# Allegro board LED_FIN.brd (continued)
## Routing (per net, layer and track width the routed paths; a pad name or vN(x,y) marks a point on that pad's centre or on a via; arc(x,y) is an arc through that point) (continued)
  TOP w0.2: 232.15,96.6 v1(232.15,99.1) 231.55,99.7 231.55,102.4 232.15,103 U321.2 ; U322.2 234.15,103 233.55,102.4 233.55,99.7 v1(234.15,99.1) 234.15,96.6 ; 242.15,96.6 v1(242.15,99.1) 241.55,99.7 241.55,102.4 242.15,103 U326.2 ; U209.2 146.95,158.7 147.55,159.3 147.55,160.65 147.35,160.85 147.35,161.56 146.95,161.96 146.95,163.75 ; U245.2 218.95,158.7 219.55,159.3 219.55,160.65 219.35,160.85 219.35,161.56 218.95,161.96 218.95,163.75 ; U452.2 v1(254.25,14.45) ; 188.15,96.6 v1(188.15,99.1) 187.55,99.7 187.55,102.4 188.15,103 U297.2 ; v1(190.25,9.65) 190.25,7.3 ; 162.15,96.6 v1(162.15,99.1) 161.55,99.7 161.55,102.4 162.15,103 U284.2 ; 17.25,31.3 17.25,32.45 15.15,34.55 COUT.2 8.3,34.55 U521.1 U520.1 ; 17.25,31.3 CIN.2 ; 17.25,31.3 17.25,29.5 ; U306.2 206.15,103 205.55,102.4 205.55,99.7 v1(206.15,99.1) 206.15,96.6 ; v1(128.25,9.65) 128.25,7.25 ; 260.95,163.75 260.95,161.96 261.35,161.56 261.35,160.85 261.55,160.65 261.55,159.3 260.95,158.7 U266.2 ; U387.2 128.15,103 127.55,102.4 127.55,99.7 v1(128.15,99.1) 128.15,96.6 ; v1(250.25,9.65) 250.25,7.3 ; U159.2 46.95,158.7 47.55,159.3 47.55,160.65 47.35,160.85 47.35,161.56 46.95,161.96 46.95,163.75 ; U458.2 v1(266.25,14.45) ; U317.2 224.15,103 223.55,102.4 223.55,99.7 v1(224.15,99.1) 224.15,96.6 ; U429.2 v1(212.25,14.45) ; U207.2 142.95,158.7 143.55,159.3 143.55,160.65 143.35,160.85 143.35,161.56 142.95,161.96 142.95,163.75 ; v1(186.25,9.65) 186.25,7.3 ; v1(150.25,9.7) 150.25,9.35 ; v1(178.25,9.65) 178.25,7.3 ; U445.2 v1(240.25,14.45) ; U268.2 264.95,158.7 265.55,159.3 265.55,160.65 265.35,160.85 265.35,161.56 264.95,161.96 264.95,163.75 ; U296.2 186.15,103 185.55,102.4 185.55,99.7 v1(186.15,99.1) 186.15,96.6 ; 276.15,96.6 v1(276.15,99.1) 275.55,99.7 275.55,102.4 276.15,103 U343.2 ; v1(258.25,9.65) 258.25,7.3 ; U457.2 v1(264.25,14.45) ; U240.2 208.95,158.7 209.55,159.3 209.55,160.65 209.35,160.85 209.35,161.56 208.95,161.96 208.95,163.75 ; U167.2 62.95,158.7 63.55,159.3 63.55,160.65 63.35,160.85 63.35,161.56 62.95,161.96 62.95,163.75 ; U206.2 140.95,158.7 141.55,159.3 141.55,160.65 141.35,160.85 141.35,161.56 140.95,161.96 140.95,163.75 ; U155.2 38.95,158.7 39.55,159.3 39.55,160.65 39.35,160.85 39.35,163.25 ; v1(236.15,99.1) 235.55,99.7 235.55,102.4 236.15,103 U323.2 ; 98.95,163.75 98.95,161.96 99.35,161.56 99.35,160.85 99.55,160.65 99.55,159.3 98.95,158.7 U185.2 ; U221.2 170.95,158.7 171.55,159.3 171.55,160.65 171.35,160.85 171.35,161.56 170.95,161.96 170.95,163.75 ; U338.2 266.15,103 265.55,102.4 265.55,99.7 v1(266.15,99.1) 266.15,96.6 ; 240.15,96.6 v1(240.15,99.1) 239.55,99.7 239.55,102.4 240.15,103 U325.2 ; U397.2 v1(148.25,14.5) ; v1(56.25,9.65) 56.25,7.25 ; U319.2 228.15,103 227.55,102.4 227.55,99.7 v1(228.15,99.1) 228.15,96.6 ; U327.2 244.15,103 243.55,102.4 243.55,99.7 v1(244.15,99.1) 244.15,96.6 ; U333.2 256.15,103 255.55,102.4 255.55,99.7 v1(256.15,99.1) 256.15,96.6 ; v1(124.25,9.65) 124.25,7.25 ; 204.95,163.75 204.95,161.96 205.35,161.56 205.35,160.85 205.55,160.65 205.55,159.3 204.95,158.7 U238.2 ; U222.2 172.95,158.7 173.55,159.3 173.55,160.65 173.35,160.85 173.35,161.56 172.95,161.96 172.95,163.75 ; U477.2 v1(68.25,14.45) ; 96.95,163.75 96.95,161.96 97.35,161.56 97.35,160.85 97.55,160.65 97.55,159.3 96.95,158.7 U184.2 ; v1(234.25,9.65) 234.25,7.3 ; U214.2 156.95,158.7 157.55,159.3 157.55,160.65 157.35,160.85 157.35,161.56 156.95,161.96 156.95,163.75 ; 17.25,29.5 17.25,27.8 ; 17.25,29.5 CVCC.2 17.8,28.9 18,28.7 19.86,28.7 20.11,28.45 22.69,28.45 23.49,29.25 26.51,29.25 26.71,29.45 29.4,29.45 32.95,25.9 RFBB.2 ; 17.25,27.8 CSS.2 ; 17.25,27.8 16.78,27.33 16.78,22.07 17.8,21.05 CBYP.2 ; 218.15,96.6 v1(218.15,99.1) 217.55,99.7 217.55,102.4 218.15,103 U314.2 ; U202.2 132.95,158.7 133.55,159.3 133.55,160.65 133.35,160.85 133.35,161.56 132.95,161.96 132.95,163.75 ; 256.95,163.75 256.95,161.96 257.35,161.56 257.35,160.85 257.55,160.65 257.55,159.3 256.95,158.7 U264.2 ; U508.2 v1(130.25,14.45) ; 134.95,163.75 134.95,161.96 135.35,161.56 135.35,160.85 135.55,160.65 135.55,159.3 134.95,158.7 U203.2 ; U475.2 v1(64.25,14.45) ; U274.2 276.95,158.7 277.4,159.15 277.4,161.5 276.95,161.96 276.95,163.75 ; 138.15,96.6 v1(138.15,99.1) 137.55,99.7 137.55,102.4 138.15,103 U392.2 ; U360.2 74.15,103 73.55,102.4 73.55,99.7 v1(74.15,99.1) 74.15,96.6 ; U213.2 154.95,158.7 155.55,159.3 155.55,160.65 155.35,160.85 155.35,161.56 154.95,161.96 154.95,163.75 ; 262.95,163.75 262.95,161.96 263.35,161.56 263.35,160.85 263.55,160.65 263.55,159.3 262.95,158.7 U267.2 ; U363.2 80.15,103 79.55,102.4 79.55,99.7 v1(80.15,99.1) 80.15,96.6 ; U460.2 v1(270.25,14.45) ; U380.2 114.15,103 113.55,102.4 113.55,99.7 v1(114.15,99.1) 114.15,96.6 ; 198.15,96.6 v1(198.15,99.1) 197.55,99.7 197.55,102.4 198.15,103 U302.2 ; 54.95,163.75 54.95,161.96 55.35,161.56 55.35,160.85 55.55,160.65 55.55,159.3 54.95,158.7 U163.2 ; U205.2 138.95,158.7 139.55,159.3 139.55,160.65 139.35,160.85 139.35,161.56 138.95,161.96 138.95,163.75 ; U287.2 168.15,103 167.55,102.4 167.55,99.7 v1(168.15,99.1) 168.15,96.6 ; U344.2 42.15,103 41.55,102.4 41.55,99.7 v1(42.15,99.1) 42.15,96.6 ; 108.95,163.75 108.95,161.96 109.35,161.56 109.35,160.85 109.55,160.65 109.55,159.3 108.95,158.7 U190.2 ; 84.95,163.75 84.95,161.96 85.35,161.56 85.35,160.85 85.55,160.65 85.55,159.3 84.95,158.7 U178.2 ; U413.2 v1(180.25,14.45) ; U399.2 v1(152.25,14.6) ; U415.2 v1(184.25,14.45) ; v1(200.25,9.65) 200.25,7.3 ; v1(46.25,9.65) 46.25,7.25 ; U378.2 110.15,103 109.55,102.4 109.55,99.7 v1(110.15,99.1) 110.15,96.6 ; U172.2 72.95,158.7 73.55,159.3 73.55,160.65 73.35,160.85 73.35,161.56 72.95,161.96 72.95,163.75 ; U226.2 180.95,158.7 181.55,159.3 181.55,160.65 181.35,160.85 181.35,161.56 180.95,161.96 180.95,163.75 ; v1(140.25,9.65) 140.25,7.25 ; U275.2 144.15,103 143.55,102.4 143.55,99.7 v1(144.15,99.1) 144.15,96.6 ; 268.15,96.6 v1(268.15,99.1) 267.55,99.7 267.55,102.4 268.15,103 U339.2 ; 62.15,96.6 v1(62.15,99.1) 61.55,99.7 61.55,102.4 62.15,103 U354.2 ; U320.2 230.15,103 229.55,102.4 229.55,99.7 v1(230.15,99.1) 230.15,96.6 ; U295.2 184.15,103 183.55,102.4 183.55,99.7 v1(184.15,99.1) 184.15,96.6 ; U225.2 178.95,158.7 179.55,159.3 179.55,160.65 179.35,160.85 179.35,161.56 178.95,161.96 178.95,163.75 ; v1(242.25,9.65) 242.25,7.3 ; v1(144.25,9.65) 144.25,7.25 ; v1(222.25,9.65) 222.25,7.3 ; v1(88.25,9.65) 88.25,7.25 ; v1(260.25,9.65) 260.25,7.3 ; 134.15,96.6 v1(134.15,99.1) 133.55,99.7 133.55,102.4 134.15,103 U390.2 ; U513.2 v1(140.25,14.45) ; U303.2 200.15,103 199.55,102.4 199.55,99.7 v1(200.15,99.1) 200.15,96.6 ; U278.2 150.15,103 149.55,102.4 149.55,99.7 v1(150.15,99.1) 150.15,96.6 ; U466.2 v1(46.25,14.45) ; U332.2 254.15,103 253.55,102.4 253.55,99.7 v1(254.15,99.1) 254.15,96.6 ; 186.95,163.75 186.95,161.96 187.35,161.56 187.35,160.85 187.55,160.65 187.55,159.3 186.95,158.7 U229.2 ; 30.9,32.7 30.9,29.4 ; 30.9,32.7 31.05,32.7 U516.3 31.6,33.2 32.1,32.7 32.1,29.9 31.6,29.4 ; 30.9,32.7 U516.2 ; 30.9,32.7 30.75,32.7 U516.1 ; 30.9,29.4 29.35,29.4 ; 30.9,29.4 31.6,29.4 ; U208.2 144.95,158.7 145.55,159.3 145.55,160.65 145.35,160.85 145.35,161.56 144.95,161.96 144.95,163.75 ; 128.95,163.75 128.95,161.96 129.35,161.56 129.35,160.85 129.55,160.65 129.55,159.3 128.95,158.7 U200.2 ; U170.2 68.95,158.7 69.55,159.3 69.55,160.65 69.35,160.85 69.35,161.56 68.95,161.96 68.95,163.75 ; U489.2 v1(92.25,14.45) ; v1(116.25,9.65) 116.25,7.25 ; U277.2 148.15,103 147.55,102.4 147.55,99.7 v1(148.15,99.1) 148.15,96.6 ; 188.95,163.75 188.95,161.96 189.35,161.56 189.35,160.85 189.55,160.65 189.55,159.3 188.95,158.7 U230.2 ; 86.95,163.75 86.95,161.96 87.35,161.56 87.35,160.85 87.55,160.65 87.55,159.3 86.95,158.7 U179.2 ; U280.2 154.15,103 153.55,102.4 153.55,99.7 v1(154.15,99.1) 154.15,96.6 ; v1(228.25,9.65) 228.25,7.3 ; 236.95,163.75 236.95,161.96 237.35,161.56 237.35,160.85 237.55,160.65 237.55,159.3 236.95,158.7 U254.2 ; U215.2 158.95,158.7 159.55,159.3 159.55,160.65 159.35,160.85 159.35,161.56 158.95,161.96 158.95,163.75 ; U232.2 192.95,158.7 193.55,159.3 193.55,160.65 193.35,160.85 193.35,161.56 192.95,161.96 192.95,163.75 ; U165.2 58.95,158.7 59.55,159.3 59.55,160.65 59.35,160.85 59.35,161.56 58.95,161.96 58.95,163.75 ; U426.2 v1(206.25,14.45) ; 172.15,96.6 v1(172.15,99.1) 171.55,99.7 171.55,102.4 172.15,103 U289.2 ; U194.2 116.95,158.7 117.55,159.3 117.55,160.65 117.35,160.85 117.35,161.56 116.95,161.96 116.95,163.75 ; U371.2 96.15,103 95.55,102.4 95.55,99.7 v1(96.15,99.1) 96.15,96.6 ; 268.95,163.75 268.95,161.96 269.35,161.56 269.35,160.85 269.55,160.65 269.55,159.3 268.95,158.7 U270.2 ; U347.2 48.15,103 47.55,102.4 47.55,99.7 v1(48.15,99.1) 48.15,96.6 ; v1(102.25,9.65) 102.25,7.25 ; U239.2 206.95,158.7 207.55,159.3 207.55,160.65 207.35,160.85 207.35,161.56 206.95,161.96 206.95,163.75 ; U329.2 248.15,103 247.55,102.4 247.55,99.7 v1(248.15,99.1) 248.15,96.6 ; 146.15,96.6 v1(146.15,99.1) 145.55,99.7 145.55,102.4 146.15,103 U276.2 ; 84.15,96.6 v1(84.15,99.1) 83.55,99.7 83.55,102.4 84.15,103 U365.2 ; 266.95,163.75 266.95,161.96 267.35,161.56 267.35,160.85 267.55,160.65 267.55,159.3 266.95,158.7 U269.2 ; 110.95,163.75 110.95,161.96 111.35,161.56 111.35,160.85 111.55,160.65 111.55,159.3 110.95,158.7 U191.2 ; U424.2 v1(202.25,14.45) ; 106.15,96.6 v1(106.15,99.1) 105.55,99.7 105.55,102.4 106.15,103 U376.2 ; U440.2 v1(230.25,14.45) ; U406.2 v1(166.25,14.45) ; 130.95,163.75 130.95,161.96 131.35,161.56 131.35,160.85 131.55,160.65 131.55,159.3 130.95,158.7 U201.2 ; U188.2 104.95,158.7 105.55,159.3 105.55,160.65 105.35,160.85 105.35,161.56 104.95,161.96 104.95,163.75 ; U316.2 222.15,103 221.55,102.4 221.55,99.7 v1(222.15,99.1) 222.15,96.6 ; U256.2 240.95,158.7 241.55,159.3 241.55,160.65 241.35,160.85 241.35,161.56 240.95,161.96 240.95,163.75 ; U435.2 v1(220.25,14.45) ; U377.2 108.15,103 107.55,102.4 107.55,99.7 v1(108.15,99.1) 108.15,96.6 ; U441.2 v1(232.25,14.45) ; 166.15,96.6 v1(166.15,99.1) 165.55,99.7 165.55,102.4 166.15,103 U286.2 ; U346.2 46.15,103 45.55,102.4 45.55,99.7 v1(46.15,99.1) 46.15,96.6 ; U350.2 54.15,103 53.55,102.4 53.55,99.7 v1(54.15,99.1) 54.15,96.6 ; 242.95,163.75 242.95,161.96 243.35,161.56 243.35,160.85 243.55,160.65 243.55,159.3 242.95,158.7 U257.2 ; U341.2 272.15,103 271.55,102.4 271.55,99.7 v1(272.15,99.1) 272.15,96.6 ; U312.2 38.15,103 37.7,102.55 37.7,97.05 ; U181.2 90.95,158.7 91.55,159.3 91.55,160.65 91.35,160.85 91.35,161.56 90.95,161.96 90.95,163.75 ; v1(40.25,9.65) 40.25,7.25 ; v1(98.25,9.65) 98.25,7.25 ; 246.15,96.6 v1(246.15,99.1) 245.55,99.7 245.55,102.4 246.15,103 U328.2 ; 100.15,96.6 v1(100.15,99.1) 99.55,99.7 99.55,102.4 100.15,103 U373.2 ; U291.2 176.15,103 175.55,102.4 175.55,99.7 v1(176.15,99.1) 176.15,96.6 ; v1(146.25,9.65) 146.25,7.25 ; 254.95,163.75 254.95,161.96 255.35,161.56 255.35,160.85 255.55,160.65 255.55,159.3 254.95,158.7 U263.2 ; v1(66.25,9.65) 66.25,7.25 ; 230.95,163.75 230.95,161.96 231.35,161.56 231.35,160.85 231.55,160.65 231.55,159.3 230.95,158.7 U251.2 ; U285.2 164.15,103 163.55,102.4 163.55,99.7 v1(164.15,99.1) 164.15,96.6 ; v1(170.25,9.65) 170.25,7.3 ; 56.15,96.6 v1(56.15,99.1) 55.55,99.7 55.55,102.4 56.15,103 U351.2 ; 66.15,96.6 v1(66.15,99.1) 65.55,99.7 65.55,102.4 66.15,103 U356.2 ; 222.95,163.75 222.95,161.96 223.35,161.56 223.35,160.85 223.55,160.65 223.55,159.3 222.95,158.7 U247.2 ; v1(68.25,9.65) 68.25,7.25 ; U468.2 v1(50.25,14.45) ; U482.2 v1(78.25,14.45) ; 68.15,96.6 v1(68.15,99.1) 67.55,99.7 67.55,102.4 68.15,103 U357.2 ; U453.2 v1(256.25,14.45) ; v1(50.25,9.65) 50.25,7.25 ; U369.2 92.15,103 91.55,102.4 91.55,99.7 v1(92.15,99.1) 92.15,96.6 ; U394.2 142.15,103 141.55,102.4 141.55,99.7 v1(142.15,99.1) 142.15,96.6 ; U479.2 v1(72.25,14.45) ; U220.2 168.95,158.7 169.55,159.3 169.55,160.65 169.35,160.85 169.35,161.56 168.95,161.96 168.95,163.75 ; U514.2 v1(142.25,14.45) ; U384.2 122.15,103 121.55,102.4 121.55,99.7 v1(122.15,99.1) 122.15,96.6 ; v1(64.25,9.65) 64.25,7.25 ; U446.2 v1(242.25,14.45) ; U404.2 v1(162.25,14.65) ; U490.2 v1(94.25,14.45) ; U491.2 v1(96.25,14.45) ; U379.2 112.15,103 111.55,102.4 111.55,99.7 v1(112.15,99.1) 112.15,96.6 ; U368.2 90.15,103 89.55,102.4 89.55,99.7 v1(90.15,99.1) 90.15,96.6 ; U374.2 102.15,103 101.55,102.4 101.55,99.7 v1(102.15,99.1) 102.15,96.6 ; 58.15,96.6 v1(58.15,99.1) 57.55,99.7 57.55,102.4 58.15,103 U352.2 ; U260.2 248.95,158.7 249.55,159.3 249.55,160.65 249.35,160.85 249.35,161.56 248.95,161.96 248.95,163.75 ; U385.2 124.15,103 123.55,102.4 123.55,99.7 v1(124.15,99.1) 124.15,96.6 ; v1(110.25,9.65) 110.25,7.25 ; 274.15,96.6 v1(274.15,99.1) 273.55,99.7 273.55,102.4 274.15,103 U342.2 ; U241.2 210.95,158.7 211.55,159.3 211.55,160.65 211.35,160.85 211.35,161.56 210.95,161.96 210.95,163.75 ; U171.2 70.95,158.7 71.55,159.3 71.55,160.65 71.35,160.85 71.35,161.56 70.95,161.96 70.95,163.75 ; v1(246.25,9.65) 246.25,7.3 ; U204.2 136.95,158.7 137.55,159.3 137.55,160.65 137.35,160.85 137.35,161.56 136.95,161.96 136.95,163.75 ; U391.2 136.15,103 135.55,102.4 135.55,99.7 v1(136.15,99.1) 136.15,96.6 ; v1(100.25,9.65) 100.25,7.25 ; 252.95,163.75 252.95,161.96 253.35,161.56 253.35,160.85 253.55,160.65 253.55,159.3 252.95,158.7 U262.2 ; v1(254.25,9.65) 254.25,7.3 ; 212.95,163.75 212.95,161.96 213.35,161.56 213.35,160.85 213.55,160.65 213.55,159.3 212.95,158.7 U242.2 ; 258.15,96.6 v1(258.15,99.1) 257.55,99.7 257.55,102.4 258.15,103 U334.2 ; U448.2 v1(246.25,14.45) ; v1(230.25,9.65) 230.25,7.3 ; v1(126.25,9.65) 126.25,7.25 ; 120.95,163.75 120.95,161.96 121.35,161.56 121.35,160.85 121.55,160.65 121.55,159.3 120.95,158.7 U196.2 ; v1(76.25,9.65) 76.25,7.25 ; 200.95,163.75 200.95,161.96 201.35,161.56 201.35,160.85 201.55,160.65 201.55,159.3 200.95,158.7 U236.2 ; v1(276.25,9.65) 276.25,7.35 ; 92.95,163.75 92.95,161.96 93.35,161.56 93.35,160.85 93.55,160.65 93.55,159.3 92.95,158.7 U182.2 ; v1(90.25,9.65) 90.25,7.25 ; U442.2 v1(234.25,14.45) ; U273.2 274.95,158.7 275.55,159.3 275.55,160.65 275.35,160.85 275.35,161.56 274.95,161.96 274.95,163.75 ; U358.2 70.15,103 69.55,102.4 69.55,99.7 v1(70.15,99.1) 70.15,96.6 ; v1(84.25,9.65) 84.25,7.25 ; v1(72.25,9.65) 72.25,7.25 ; U451.2 v1(252.25,14.45) ; U473.2 v1(60.25,14.45) ; U173.2 74.95,158.7 75.55,159.3 75.55,160.65 75.35,160.85 75.35,161.56 74.95,161.96 74.95,163.75 ; v1(52.25,9.65) 52.25,7.25 ; U414.2 v1(182.25,14.45) ; U411.2 v1(176.25,14.45) ; 178.15,96.6 v1(178.15,99.1) 177.55,99.7 177.55,102.4 178.15,103 U292.2 ; U401.2 v1(156.25,14.55) ; U462.2 v1(274.25,14.45) ; v1(180.25,9.65) 180.25,7.3 ; U509.2 v1(132.25,14.45) ; v1(44.25,9.65) 44.25,7.25 ; 72.15,96.6 v1(72.15,99.1) 71.55,99.7 71.55,102.4 72.15,103 U359.2 ; U497.2 v1(108.25,14.45) ; v1(132.25,9.65) 132.25,7.25 ; U307.2 208.15,103 207.55,102.4 207.55,99.7 v1(208.15,99.1) 208.15,96.6 ; U243.2 214.95,158.7 215.55,159.3 215.55,160.65 215.35,160.85 215.35,161.56 214.95,161.96 214.95,163.75 ; 238.15,96.6 v1(238.15,99.1) 237.55,99.7 237.55,102.4 238.15,103 U324.2 ; U246.2 220.95,158.7 221.55,159.3 221.55,160.65 221.35,160.85 221.35,161.56 220.95,161.96 220.95,163.75 ; U212.2 152.95,158.7 153.55,159.3 153.55,160.65 153.35,160.85 153.35,161.56 152.95,161.96 152.95,163.75 ; 196.95,163.75 196.95,161.96 197.35,161.56 197.35,160.85 197.55,160.65 197.55,159.3 196.95,158.7 U234.2 ; U472.2 v1(58.25,14.45) ; v1(92.25,9.65) 92.25,7.25 ; 118.15,96.6 v1(118.15,99.1) 117.55,99.7 117.55,102.4 118.15,103 U382.2 ; v1(216.25,9.65) 216.25,7.3 ; U476.2 v1(66.25,14.45) ; U512.2 v1(138.25,14.45) ; U501.2 v1(116.25,14.45) ; U249.2 226.95,158.7 227.55,159.3 227.55,160.65 227.35,160.85 227.35,161.56 226.95,161.96 226.95,163.75 ; U436.2 v1(222.25,14.45) ; U176.2 80.95,158.7 81.55,159.3 81.55,160.65 81.35,160.85 81.35,161.56 80.95,161.96 80.95,163.75 ; U456.2 v1(262.25,14.45) ; 29.35,29.4 M2.2 ; 29.35,29.4 RS.2 ; U235.2 198.95,158.7 199.55,159.3 199.55,160.65 199.35,160.85 199.35,161.56 198.95,161.96 198.95,163.75 ; 60.15,96.6 v1(60.15,99.1) 59.55,99.7 59.55,102.4 60.15,103 U353.2 ; 202.15,96.6 v1(202.15,99.1) 201.55,99.7 201.55,102.4 202.15,103 U304.2 ; U217.2 162.95,158.7 163.55,159.3 163.55,160.65 163.35,160.85 163.35,161.56 162.95,161.96 162.95,163.75 ; U161.2 50.95,158.7 51.55,159.3 51.55,160.65 51.35,160.85 51.35,161.56 50.95,161.96 50.95,163.75 ; U219.2 166.95,158.7 167.55,159.3 167.55,160.65 167.35,160.85 167.35,161.56 166.95,161.96 166.95,163.75 ; 94.15,96.6 v1(94.15,99.1) 93.55,99.7 93.55,102.4 94.15,103 U370.2 ; U233.2 194.95,158.7 195.55,159.3 195.55,160.65 195.35,160.85 195.35,161.56 194.95,161.96 194.95,163.75 ; U279.2 152.15,103 151.55,102.4 151.55,99.7 v1(152.15,99.1) 152.15,96.6 ; U428.2 v1(210.25,14.45) ; v1(268.25,9.65) 268.25,7.3 ; v1(94.25,9.65) 94.25,7.25 ; U164.2 56.95,158.7 57.55,159.3 57.55,160.65 57.35,160.85 57.35,161.56 56.95,161.96 56.95,163.75 ; U410.2 v1(174.25,14.45) ; U231.2 190.95,158.7 191.55,159.3 191.55,160.65 191.35,160.85 191.35,161.56 190.95,161.96 190.95,163.75 ; 170.15,96.6 v1(170.15,99.1) 169.55,99.7 169.55,102.4 170.15,103 U288.2 ; U272.2 272.95,158.7 273.55,159.3 273.55,160.65 273.35,160.85 273.35,161.56 272.95,161.96 272.95,163.75 ; 44.95,163.75 44.95,161.96 45.35,161.56 45.35,160.85 45.55,160.65 45.55,159.3 44.95,158.7 U158.2 ; 182.15,96.6 v1(182.15,99.1) 181.55,99.7 181.55,102.4 182.15,103 U294.2 ; U402.2 v1(158.25,14.65) ; U349.2 52.15,103 51.55,102.4 51.55,99.7 v1(52.15,99.1) 52.15,96.6 ; 33.5,25.3 33.5,26.8 31.6,28.7 31.6,29.4 ; U434.2 v1(218.25,14.45) ; U177.2 82.95,158.7 83.55,159.3 83.55,160.65 83.35,160.85 83.35,161.56 82.95,161.96 82.95,163.75 ; v1(244.25,9.65) 244.25,7.3 ; v1(218.25,9.65) 218.25,7.3 ; 164.95,163.75 164.95,161.96 165.35,161.56 165.35,160.85 165.55,160.65 165.55,159.3 164.95,158.7 U218.2 ; U193.2 114.95,158.7 115.55,159.3 115.55,160.65 115.35,160.85 115.35,161.56 114.95,161.96 114.95,163.75 ; U300.2 194.15,103 193.55,102.4 193.55,99.7 v1(194.15,99.1) 194.15,96.6 ; 116.15,96.6 v1(116.15,99.1) 115.55,99.7 115.55,102.4 116.15,103 U381.2 ; U407.2 v1(168.25,14.45) ; U340.2 270.15,103 269.55,102.4 269.55,99.7 v1(270.15,99.1) 270.15,96.6 ; v1(104.25,9.65) 104.25,7.25 ; U336.2 262.15,103 261.55,102.4 261.55,99.7 v1(262.15,99.1) 262.15,96.6 ; U485.2 v1(84.25,14.45) ; U348.2 50.15,103 49.55,102.4 49.55,99.7 v1(50.15,99.1) 50.15,96.6 ; U398.2 v1(150.25,14.55) ; U375.2 104.15,103 103.55,102.4 103.55,99.7 v1(104.15,99.1) 104.15,96.6 ; 64.95,163.75 64.95,161.96 65.35,161.56 65.35,160.85 65.55,160.65 65.55,159.3 64.95,158.7 U168.2 ; v1(74.25,9.65) 74.25,7.25 ; U335.2 260.15,103 259.55,102.4 259.55,99.7 v1(260.15,99.1) 260.15,96.6 ; U400.2 v1(154.25,14.65) ; 226.15,96.6 v1(226.15,99.1) 225.55,99.7 225.55,102.4 226.15,103 U318.2 ; U421.2 v1(196.25,14.45) ; 210.15,96.6 v1(210.15,99.1) 209.55,99.7 209.55,102.4 210.15,103 U308.2 ; U395.2 v1(144.25,14.45) ; v1(118.25,9.65) 118.25,7.25 ; 94.95,163.75 94.95,161.96 95.35,161.56 95.35,160.85 95.55,160.65 95.55,159.3 94.95,158.7 U183.2 ; U412.2 v1(178.25,14.45) ; v1(172.25,9.65) 172.25,7.3 ; 244.95,163.75 244.95,161.96 245.35,161.56 245.35,160.85 245.55,160.65 245.55,159.3 244.95,158.7 U258.2 ; v1(112.25,9.65) 112.25,7.25 ; U483.2 v1(80.25,14.45) ; U507.2 v1(128.25,14.45) ; U488.2 v1(90.25,14.45) ; U301.2 196.15,103 195.55,102.4 195.55,99.7 v1(196.15,99.1) 196.15,96.6 ; 60.95,163.75 60.95,161.96 61.35,161.56 61.35,160.85 61.55,160.65 61.55,159.3 60.95,158.7 U166.2 ; 250.95,163.75 250.95,161.96 251.35,161.56 251.35,160.85 251.55,160.65 251.55,159.3 250.95,158.7 U261.2 ; U162.2 52.95,158.7 53.55,159.3 53.55,160.65 53.35,160.85 53.35,161.56 52.95,161.96 52.95,163.75 ; U210.2 148.95,158.7 149.55,159.3 149.55,160.65 149.35,160.85 149.35,161.56 148.95,161.96 148.95,163.75 ; U345.2 44.15,103 43.55,102.4 43.55,99.7 v1(44.15,99.1) 44.15,96.6 ; v1(279.3,98.55) v1(279.3,98.05) ; v1(240.25,9.65) 240.25,7.3 ; v1(236.25,9.65) 236.25,7.3 ; 150.95,163.75 150.95,161.96 151.35,161.56 151.35,160.85 151.55,160.65 151.55,159.3 150.95,158.7 U211.2 ; U454.2 v1(258.25,14.45) ; U337.2 264.15,103 263.55,102.4 263.55,99.7 v1(264.15,99.1) 264.15,96.6 ; U463.2 v1(276.25,14.45) ; U367.2 88.15,103 87.55,102.4 87.55,99.7 v1(88.15,99.1) 88.15,96.6 ; U484.2 v1(82.25,14.45) ; U248.2 224.95,158.7 225.55,159.3 225.55,160.65 225.35,160.85 225.35,161.56 224.95,161.96 224.95,163.75 ; 102.95,163.75 102.95,161.96 103.35,161.56 103.35,160.85 103.55,160.65 103.55,159.3 102.95,158.7 U187.2 ; U199.2 126.95,158.7 127.55,159.3 127.55,160.65 127.35,160.85 127.35,161.56 126.95,161.96 126.95,163.75 ; U409.2 v1(172.25,14.45) ; U362.2 78.15,103 77.55,102.4 77.55,99.7 v1(78.15,99.1) ; U388.2 130.15,103 129.55,102.4 129.55,99.7 v1(130.15,99.1) 130.15,96.6 ; U259.2 246.95,158.7 247.55,159.3 247.55,160.65 247.35,160.85 247.35,161.56 246.95,161.96 246.95,163.75 ; U315.2 220.15,103 219.55,102.4 219.55,99.7 v1(220.15,99.1) 220.15,96.6 ; U430.2 v1(214.25,14.45) ; U186.2 100.95,158.7 101.55,159.3 101.55,160.65 101.35,160.85 101.35,161.56 100.95,161.96 100.95,163.75 ; 182.95,163.75 182.95,161.96 183.35,161.56 183.35,160.85 183.55,160.65 183.55,159.3 182.95,158.7 U227.2 ; 250.15,96.6 v1(250.15,99.1) 249.55,99.7 249.55,102.4 250.15,103 U330.2 ; 112.95,163.75 112.95,161.96 113.35,161.56 113.35,160.85 113.55,160.65 113.55,159.3 112.95,158.7 U192.2 ; U511.2 v1(136.25,14.45) ; U425.2 v1(204.25,14.45) ; v1(60.25,9.65) 60.25,7.25 ; U156.2 40.95,158.7 41.55,159.3 41.55,160.65 41.35,160.85 41.35,161.56 41.15,161.76 41.15,163.75 ; U443.2 v1(236.25,14.45) ; U486.2 v1(86.25,14.45) ; v1(192.25,9.65) 192.25,7.3 ; 78.95,163.75 78.95,161.96 79.35,161.56 79.35,160.85 79.55,160.65 79.55,159.3 78.95,158.7 U175.2 ; U500.2 v1(114.25,14.45) ; U450.2 v1(250.25,14.45) ; v1(212.25,9.65) 212.25,7.3 ; U510.2 v1(134.25,14.45) ; U313.2 40.15,103 39.55,102.4 39.55,99.7 v1(40.15,99.1) 40.15,96.6 ; U481.2 v1(76.25,14.45) ; U393.2 140.15,103 139.55,102.4 139.55,99.7 v1(140.15,99.1) 140.15,96.6 ; U494.2 v1(102.25,14.45) ; U180.2 88.95,158.7 89.55,159.3 89.55,160.65 89.35,160.85 89.35,161.56 88.95,161.96 88.95,163.75 ; U255.2 238.95,158.7 239.55,159.3 239.55,160.65 239.35,160.85 239.35,161.56 238.95,161.96 238.95,163.75 ; 160.95,163.75 160.95,161.96 161.35,161.56 161.35,160.85 161.55,160.65 161.55,159.3 160.95,158.7 U216.2 ; U298.2 190.15,103 189.55,102.4 189.55,99.7 v1(190.15,99.1) 190.15,96.6 ; 64.15,96.6 v1(64.15,99.1) 63.55,99.7 63.55,102.4 64.15,103 U355.2 ; U281.2 156.15,103 155.55,102.4 155.55,99.7 v1(156.15,99.1) 156.15,96.6 ; U495.2 v1(104.25,14.45) ; v1(106.25,9.65) 106.25,7.25 ; v1(226.25,9.65) 226.25,7.3 ; U361.2 76.15,103 75.55,102.4 75.55,99.7 v1(76.15,99.1) 76.15,96.6 ; v1(194.25,9.65) 194.25,7.3 ; U250.2 228.95,158.7 229.55,159.3 229.55,160.65 229.35,160.85 229.35,161.56 228.95,161.96 228.95,163.75 ; U419.2 v1(192.25,14.45) ; v1(86.25,9.65) 86.25,7.25 ; U396.2 v1(146.25,14.45) ; v1(188.25,9.65) 188.25,7.3 ; U228.2 184.95,158.7 185.55,159.3 185.55,160.65 185.35,160.85 185.35,161.56 184.95,161.96 184.95,163.75 ; v1(270.25,9.65) 270.25,7.3 ; 122.95,163.75 122.95,161.96 123.35,161.56 123.35,160.85 123.55,160.65 123.55,159.3 122.95,158.7 U197.2 ; v1(80.25,9.65) 80.25,7.25 ; v1(58.25,9.65) 58.25,7.25 ; v1(256.25,9.65) 256.25,7.3 ; v1(208.25,9.65) 208.25,7.3 ; v1(142.25,9.65) 142.25,7.25 ; U271.2 270.95,158.7 271.55,159.3 271.55,160.65 271.35,160.85 271.35,161.56 270.95,161.96 270.95,163.75 ; U224.2 176.95,158.7 177.55,159.3 177.55,160.65 177.35,160.85 177.35,161.56 176.95,161.96 176.95,163.75 ; 204.15,96.6 v1(204.15,99.1) 203.55,99.7 203.55,102.4 204.15,103 U305.2 ; v1(70.25,9.65) 70.25,7.25 ; v1(166.25,9.65) 166.25,7.3 ; 42.95,163.75 42.95,161.96 43.35,161.56 43.35,160.85 43.55,160.65 43.55,159.3 42.95,158.7 U157.2 ; 174.15,96.6 v1(174.15,99.1) 173.55,99.7 173.55,102.4 174.15,103 U290.2 ; U420.2 v1(194.25,14.45) ; v1(262.25,9.65) 262.25,7.3 ; v1(264.25,9.65) 264.25,7.3 ; U505.2 v1(124.25,14.45) ; U480.2 v1(74.25,14.45) ; 232.95,163.75 232.95,161.96 233.35,161.56 233.35,160.85 233.55,160.65 233.55,159.3 232.95,158.7 U252.2 ; 66.95,163.75 66.95,161.96 67.35,161.56 67.35,160.85 67.55,160.65 67.55,159.3 66.95,158.7 U169.2 ; U174.2 76.95,158.7 77.55,159.3 77.55,160.65 77.35,160.85 77.35,161.56 76.95,161.96 76.95,163.75 ; v1(120.25,9.65) 120.25,7.25 ; U253.2 234.95,158.7 235.55,159.3 235.55,160.65 235.35,160.85 235.35,161.56 234.95,161.96 234.95,163.75 ; U265.2 258.95,158.7 259.55,159.3 259.55,160.65 259.35,160.85 259.35,161.56 258.95,161.96 258.95,163.75 ; 120.15,96.6 v1(120.15,99.1) 119.55,99.7 119.55,102.4 120.15,103 U383.2 ; v1(238.25,9.65) 238.25,7.3 ; 158.15,96.6 v1(158.15,99.1) 157.55,99.7 157.55,102.4 158.15,103 U282.2 ; 118.95,163.75 118.95,161.96 119.35,161.56 119.35,160.85 119.55,160.65 119.55,159.3 118.95,158.7 U195.2 ; U447.2 v1(244.25,14.45) ; 216.95,163.75 216.95,161.96 217.35,161.56 217.35,160.85 217.55,160.65 217.55,159.3 216.95,158.7 U244.2 ; U310.2 214.15,103 213.55,102.4 213.55,99.7 v1(214.15,99.1) 214.15,96.6 ; v1(220.25,9.65) 220.25,7.3 ; v1(62.25,9.65) 62.25,7.25 ; U504.2 v1(122.25,14.45) ; v1(184.25,9.65) 184.25,7.3 ; U403.2 v1(160.25,14.65) ; U437.2 v1(224.25,14.45) ; U469.2 v1(52.25,14.45) ; U461.2 v1(272.25,14.45) ; U467.2 v1(48.25,14.45) ; U498.2 v1(110.25,14.45) ; v1(82.25,9.65) 82.25,7.25 ; v1(224.25,9.65) 224.25,7.3 ; v1(54.25,9.65) 54.25,7.25 ; v1(204.25,9.65) 204.25,7.3 ; v1(148.25,9.7) 148.25,7.25 ; U496.2 v1(106.25,14.45) ; U237.2 202.95,158.7 203.55,159.3 203.55,160.65 203.35,160.85 203.35,161.56 202.95,161.96 202.95,163.75 ; U499.2 v1(112.25,14.45) ; v1(134.25,9.65) 134.25,7.25 ; v1(138.25,9.65) 138.25,7.25 ; U405.2 v1(164.25,14.65) ; U465.2 v1(44.25,14.45) ; 86.15,96.6 v1(86.15,99.1) 85.55,99.7 85.55,102.4 86.15,103 U366.2 ; U455.2 v1(260.25,14.45) ; v1(198.25,9.65) 198.25,7.3 ; U502.2 v1(118.25,14.45) ; v1(266.25,9.65) 266.25,7.3 ; 124.95,163.75 124.95,161.96 125.35,161.56 125.35,160.85 125.55,160.65 125.55,159.3 124.95,158.7 U198.2 ; U487.2 v1(88.25,14.45) ; U470.2 v1(54.25,14.45) ; U309.2 212.15,103 211.55,102.4 211.55,99.7 v1(212.15,99.1) 212.15,96.6 ; v1(182.25,9.65) 182.25,7.3 ; U431.2 v1(216.25,14.45) ; U364.2 82.15,103 81.55,102.4 81.55,99.7 v1(82.15,99.1) 82.15,96.6 ; U478.2 v1(70.25,14.45) ; v1(78.25,9.65) 78.25,7.25 ; v1(96.25,9.65) 96.25,7.25 ; v1(206.25,9.65) 206.25,7.3 ; U293.2 180.15,103 179.55,102.4 179.55,99.7 v1(180.15,99.1) 180.15,96.6 ; U471.2 v1(56.25,14.45) ; v1(232.25,9.65) 232.25,7.3 ; U493.2 v1(100.25,14.45) ; v1(196.25,9.65) 196.25,7.3 ; U438.2 v1(226.25,14.45) ; v1(122.25,9.65) 122.25,7.25 ; U189.2 106.95,158.7 107.55,159.3 107.55,160.65 107.35,160.85 107.35,161.56 106.95,161.96 106.95,163.75 ; U423.2 v1(200.25,14.45) ; v1(48.25,9.65) 48.25,7.25 ; U432.2 37.85,13.15 37.65,12.95 37.65,7.3 37.6,7.25 ; U474.2 v1(62.25,14.45) ; U427.2 v1(208.25,14.45) ; U389.2 132.15,103 131.55,102.4 131.55,99.7 v1(132.15,99.1) 132.15,96.6 ; U464.2 v1(42.25,14.45) ; U492.2 v1(98.25,14.45) ; U503.2 v1(120.25,14.45) ; v1(168.25,9.65) 168.25,7.3 ; 98.15,96.6 v1(98.15,99.1) 97.55,99.7 97.55,102.4 98.15,103 U372.2 ; 216.15,96.6 v1(216.15,99.1) 215.55,99.7 215.55,102.4 216.15,103 U311.2 ; 48.95,163.75 48.95,161.96 49.35,161.56 49.35,160.85 49.55,160.65 49.55,159.3 48.95,158.7 U160.2 ; v1(210.25,9.65) 210.25,7.3 ; U416.2 v1(186.25,14.45) ; U444.2 v1(238.25,14.45) ; 174.95,163.75 174.95,161.96 175.35,161.56 175.35,160.85 175.55,160.65 175.55,159.3 174.95,158.7 U223.2 ; v1(42.25,9.65) 42.25,7.25 ; v1(274.25,9.65) 274.25,7.3 ; v1(248.25,9.65) 248.25,7.3 ; U331.2 252.15,103 251.55,102.4 251.55,99.7 v1(252.15,99.1) 252.15,96.6 ; U417.2 v1(188.25,14.45) ; 160.15,96.6 v1(160.15,99.1) 159.55,99.7 159.55,102.4 160.15,103 U283.2 ; U449.2 v1(248.25,14.45) ; v1(272.25,9.65) 272.25,7.3 ; U418.2 v1(190.25,14.45) ; U299.2 192.15,103 191.55,102.4 191.55,99.7 v1(192.15,99.1) 192.15,96.6 ; v1(252.25,9.65) 252.25,7.3 ; v1(176.25,9.65) 176.25,7.3 ; 126.15,96.6 v1(126.15,99.1) 125.55,99.7 125.55,102.4 126.15,103 U386.2 ; v1(114.25,9.65) 114.25,7.25 ; U439.2 v1(228.25,14.45) ; v1(130.25,9.65) 130.25,7.25 ; v1(202.25,9.65) 202.25,7.3 ; v1(108.25,9.65) 108.25,7.25 ; U422.2 v1(198.25,14.45) ; U408.2 v1(170.25,14.45) ; v1(136.25,9.65) 136.25,7.25 ; v1(214.25,9.65) 214.25,7.3 ; U459.2 v1(268.25,14.45) ; U433.2 v1(40.25,14.45) ; U506.2 v1(126.25,14.45) ; v1(174.25,9.65) 174.25,7.3
  TOP w0.4: v1(278.1,8.05) 278.25,7.9 278.25,7.88 278.65,7.48 ; RFBB.2 35.7,25.3 36,25 ; 78.15,96.6 v1(78.15,99.1) ; 278.65,7.48 v1(278.65,8.05) 278.65,8.3 v1(278.4,8.55) ; 278.65,7.48 v1(278.65,7.35) ; v1(278.1,97.5) 277.35,96.75 277.35,96.6 ; v1(236.15,99.1) 236.15,96.6 ; v1(279.3,98.55) 278.95,98.55 v1(278.65,98.25)
  TOP w1: v1(158.35,9.35) v1(156.25,9.35) v1(154.25,9.35) v1(152.2,9.35) 150.25,9.35 ; v1(158.35,9.35) v1(160.2,9.35) v1(162.25,9.35) v1(164.2,9.35) ; v1(158.35,9.35) 158.35,4.95
  TOP w2.5: 37.6,7.25 37.6,7.95 35.55,10 35.55,15.75 37.32,17.52 37.32,23.68 36,25
  TOP w3: v1(278.65,7.35) 276.25,7.35 276.25,7.3 J11.1 J13.1 156.33,2.93 150.37,2.93 148.25,5.05 148.25,7.25 37.6,7.25 ; 276.95,163.75 39.85,163.75 39.35,163.25 37.41,163.25 36.05,161.89 36.05,98.7 37.7,97.21 37.7,97.05 37.85,96.9 37.85,96.6 277.35,96.6 v1(279.3,98.55)
  BOTTOM w0.2: v1(50.25,14.45) v1(50.25,9.65) ; v1(170.25,14.45) v1(170.25,9.65) ; v1(168.25,14.45) v1(168.25,9.65) ; v1(279.3,98.05) v1(279.3,97.55) ; v1(279.3,97.55) v1(279.9,97.55) ; v1(279.3,97.55) v1(278.7,97.55) ; v1(250.25,14.45) v1(250.25,9.65) ; v1(260.25,14.45) v1(260.25,9.65) ; v1(156.25,14.55) v1(156.25,9.35) ; v1(198.25,14.45) v1(198.25,9.65) ; v1(126.25,14.45) v1(126.25,9.65) ; v1(279.3,6.8) v1(279.3,7.35) 279.2,7.35 ; v1(160.2,9.35) 160.25,9.4 v1(160.25,14.65) ; v1(194.25,14.45) v1(194.25,9.65) ; v1(128.25,14.45) v1(128.25,9.65) ; v1(190.25,14.45) v1(190.25,9.65) ; v1(270.25,14.45) v1(270.25,9.65) ; v1(110.25,14.45) v1(110.25,9.65) ; v1(136.25,14.45) v1(136.25,9.65) ; v1(68.25,14.45) v1(68.25,9.65) ; v1(106.25,14.45) v1(106.25,9.65) ; v1(48.25,14.45) v1(48.25,9.65) ; v1(74.25,14.45) v1(74.25,9.65) ; v1(130.25,14.45) v1(130.25,9.65) ; v1(118.25,14.45) v1(118.25,9.65) ; v1(72.25,14.45) v1(72.25,9.65) ; v1(214.25,14.45) v1(214.25,9.65) ; v1(114.25,14.45) v1(114.25,9.65) ; v1(182.25,14.45) v1(182.25,9.65) ; v1(222.25,14.45) v1(222.25,9.65) ; v1(154.25,14.65) v1(154.25,9.35) ; v1(216.25,14.45) v1(216.25,9.65) ; v1(276.25,14.45) v1(276.25,9.65) ; v1(262.25,14.45) v1(262.25,9.65) ; v1(108.25,14.45) v1(108.25,9.65) ; v1(228.25,14.45) v1(228.25,9.65) ; v1(150.25,14.55) v1(150.25,9.7) ; v1(144.25,14.45) v1(144.25,9.65) ; v1(166.25,14.45) v1(166.25,9.65) ; v1(256.25,14.45) v1(256.25,9.65) ; v1(188.25,14.45) v1(188.25,9.65) ; v1(162.25,14.65) v1(162.25,9.35) ; v1(244.25,14.45) v1(244.25,9.65) ; v1(54.25,14.45) v1(54.25,9.65) ; v1(202.25,14.45) v1(202.25,9.65) ; v1(226.25,14.45) v1(226.25,9.65) ; v1(124.25,14.45) v1(124.25,9.65) ; v1(158.35,9.35) 158.35,14.55 v1(158.25,14.65) ; v1(66.25,14.45) v1(66.25,9.65) ; v1(220.25,14.45) v1(220.25,9.65) ; v1(174.25,14.45) v1(174.25,9.65) ; v1(268.25,14.45) v1(268.25,9.65) ; v1(98.25,14.45) v1(98.25,9.65) ; v1(246.25,14.45) v1(246.25,9.65) ; v1(236.25,14.45) v1(236.25,9.65) ; v1(58.25,14.45) v1(58.25,9.65) ; v1(240.25,14.45) v1(240.25,9.65) ; v1(230.25,14.45) v1(230.25,9.65) ; v1(258.25,14.45) v1(258.25,9.65) ; v1(122.25,14.45) v1(122.25,9.65) ; v1(44.25,14.45) v1(44.25,9.65) ; v1(120.25,14.45) v1(120.25,9.65) ; v1(76.25,14.45) v1(76.25,9.65) ; v1(140.25,14.45) v1(140.25,9.65) ; v1(180.25,14.45) v1(180.25,9.65) ; 279.2,7.35 v1(278.65,7.35) ; 279.2,7.35 v1(278.6,6.75) ; v1(62.25,14.45) v1(62.25,9.65) ; v1(90.25,14.45) v1(90.25,9.65) ; v1(88.25,14.45) v1(88.25,9.65) ; v1(164.25,14.65) 164.2,14.6 v1(164.2,9.35) ; v1(224.25,14.45) v1(224.25,9.65) ; v1(84.25,14.45) v1(84.25,9.65) ; v1(52.25,14.45) v1(52.25,9.65) ; v1(208.25,14.45) v1(208.25,9.65) ; v1(232.25,14.45) v1(232.25,9.65) ; v1(200.25,14.45) v1(200.25,9.65) ; v1(40.25,14.45) v1(40.25,9.65) ; v1(192.25,14.45) v1(192.25,9.65) ; v1(252.25,14.45) v1(252.25,9.65) ; v1(100.25,14.45) v1(100.25,9.65) ; v1(186.25,14.45) v1(186.25,9.65) ; v1(78.25,14.45) v1(78.25,9.65) ; v1(218.25,14.45) v1(218.25,9.65) ; v1(116.25,14.45) v1(116.25,9.65) ; v1(274.25,14.45) v1(274.25,9.65) ; v1(178.25,14.45) v1(178.25,9.65) ; v1(134.25,14.45) v1(134.25,9.65) ; v1(152.2,9.35) 152.25,9.4 v1(152.25,14.6) ; v1(42.25,14.45) v1(42.25,9.65) ; v1(254.25,14.45) v1(254.25,9.65) ; v1(82.25,14.45) v1(82.25,9.65) ; v1(248.25,14.45) v1(248.25,9.65) ; v1(206.25,14.45) v1(206.25,9.65) ; v1(60.25,14.45) v1(60.25,9.65) ; v1(112.25,14.45) v1(112.25,9.65) ; v1(242.25,14.45) v1(242.25,9.65) ; v1(264.25,14.45) v1(264.25,9.65) ; v1(204.25,14.45) v1(204.25,9.65) ; v1(56.25,14.45) v1(56.25,9.65) ; v1(238.25,14.45) v1(238.25,9.65) ; v1(196.25,14.45) v1(196.25,9.65) ; v1(272.25,14.45) v1(272.25,9.65) ; v1(94.25,14.45) v1(94.25,9.65) ; v1(46.25,14.45) v1(46.25,9.65) ; v1(234.25,14.45) v1(234.25,9.65) ; v1(104.25,14.45) v1(104.25,9.65) ; v1(92.25,14.45) v1(92.25,9.65) ; v1(172.25,14.45) v1(172.25,9.65) ; v1(80.25,14.45) v1(80.25,9.65) ; v1(70.25,14.45) v1(70.25,9.65) ; v1(64.25,14.45) v1(64.25,9.65) ; v1(138.25,14.45) v1(138.25,9.65) ; v1(176.25,14.45) v1(176.25,9.65) ; v1(96.25,14.45) v1(96.25,9.65) ; v1(266.25,14.45) v1(266.25,9.65) ; v1(210.25,14.45) v1(210.25,9.65) ; v1(212.25,14.45) v1(212.25,9.65) ; v1(86.25,14.45) v1(86.25,9.65) ; v1(146.25,14.45) v1(146.25,9.65) ; v1(102.25,14.45) v1(102.25,9.65) ; v1(184.25,14.45) v1(184.25,9.65) ; v1(132.25,14.45) v1(132.25,9.65) ; v1(148.25,14.5) v1(148.25,9.7) ; v1(142.25,14.45) v1(142.25,9.65)
  BOTTOM w0.4: v1(279.7,7.85) 279.7,7.75 v1(279.3,7.35) ; v1(278.15,97.1) 278.27,97.1 278.43,97.26 278.53,97.15 278.87,97.15 279.1,97.38 279.1,97.45 279.3,97.45 v1(278.55,96.7) ; 279.3,8.05 v1(279.1,7.85) ; 279.3,8.2 v1(279.05,8.45)
  BOTTOM w3: v1(279.3,97.55) v1(279.3,7.35)
